# Altium PCB BRGTC6_Dual_Daughter.PcbDoc (part 1 of 2)
Units mil, origin at the board's own origin, x right, y up, seen from the top; angles counter-clockwise.
Board outline 5255 x 3080 mil, 4 copper layers (TOP, GND, PWR, BOT), stack 62.731 mil thick; 31 components, 45 nets, 288 pads, 246 vias.
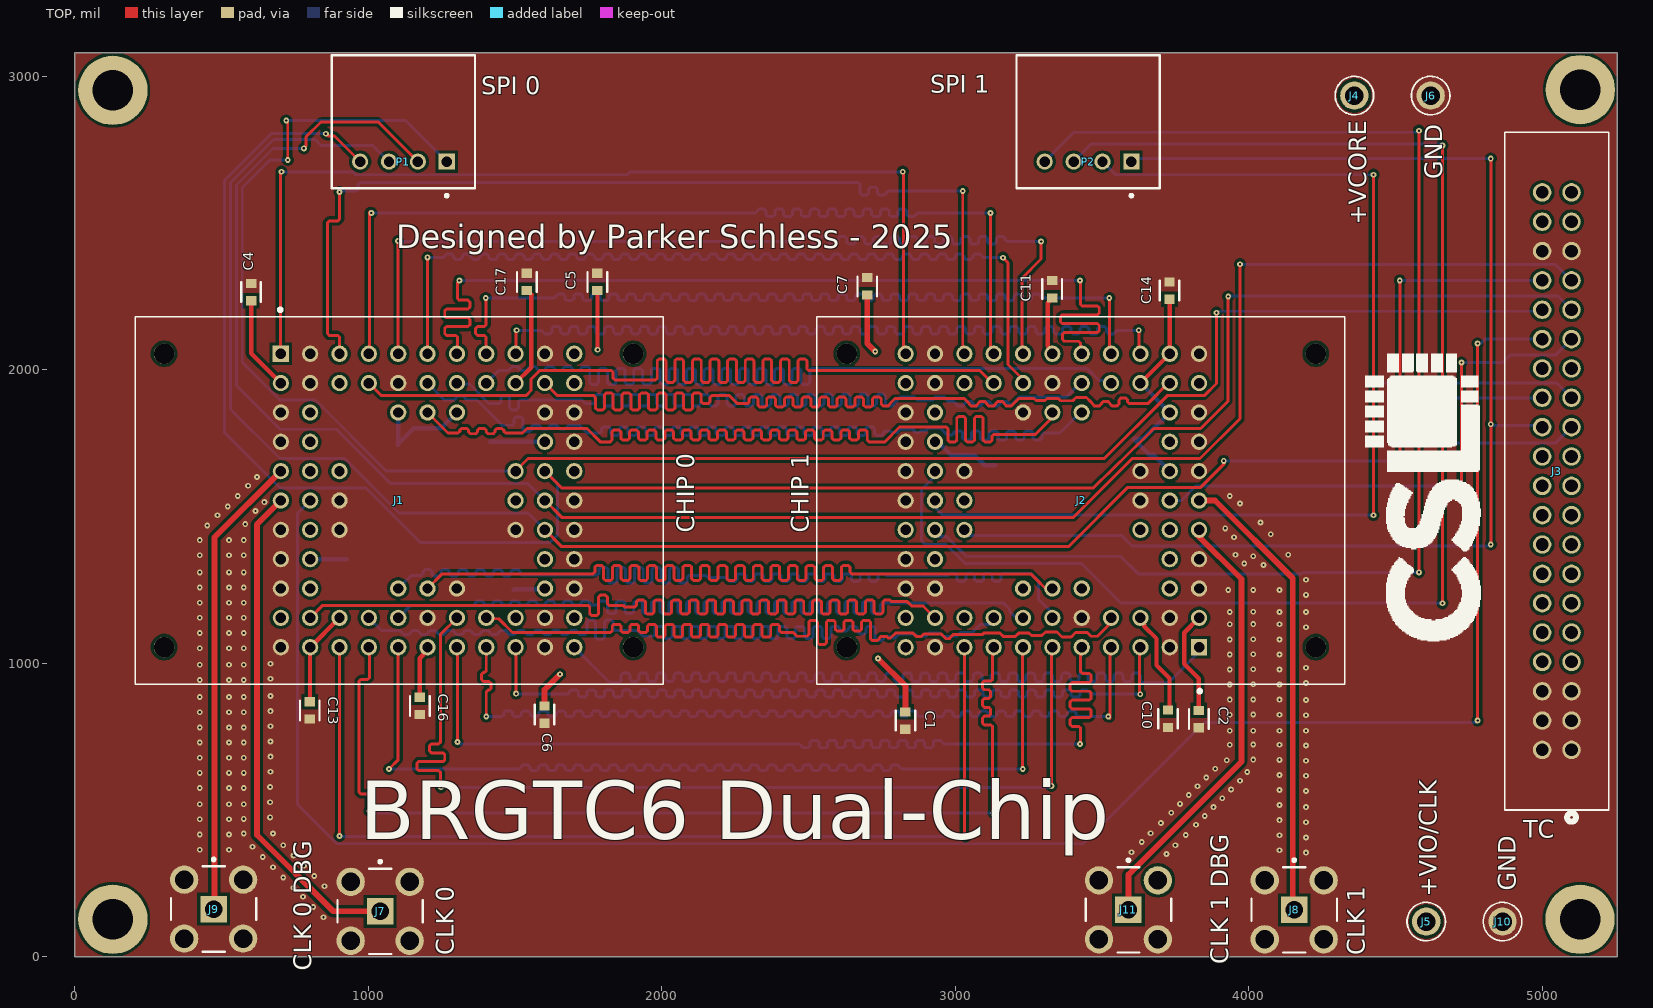
[diagram p0: TOP view]
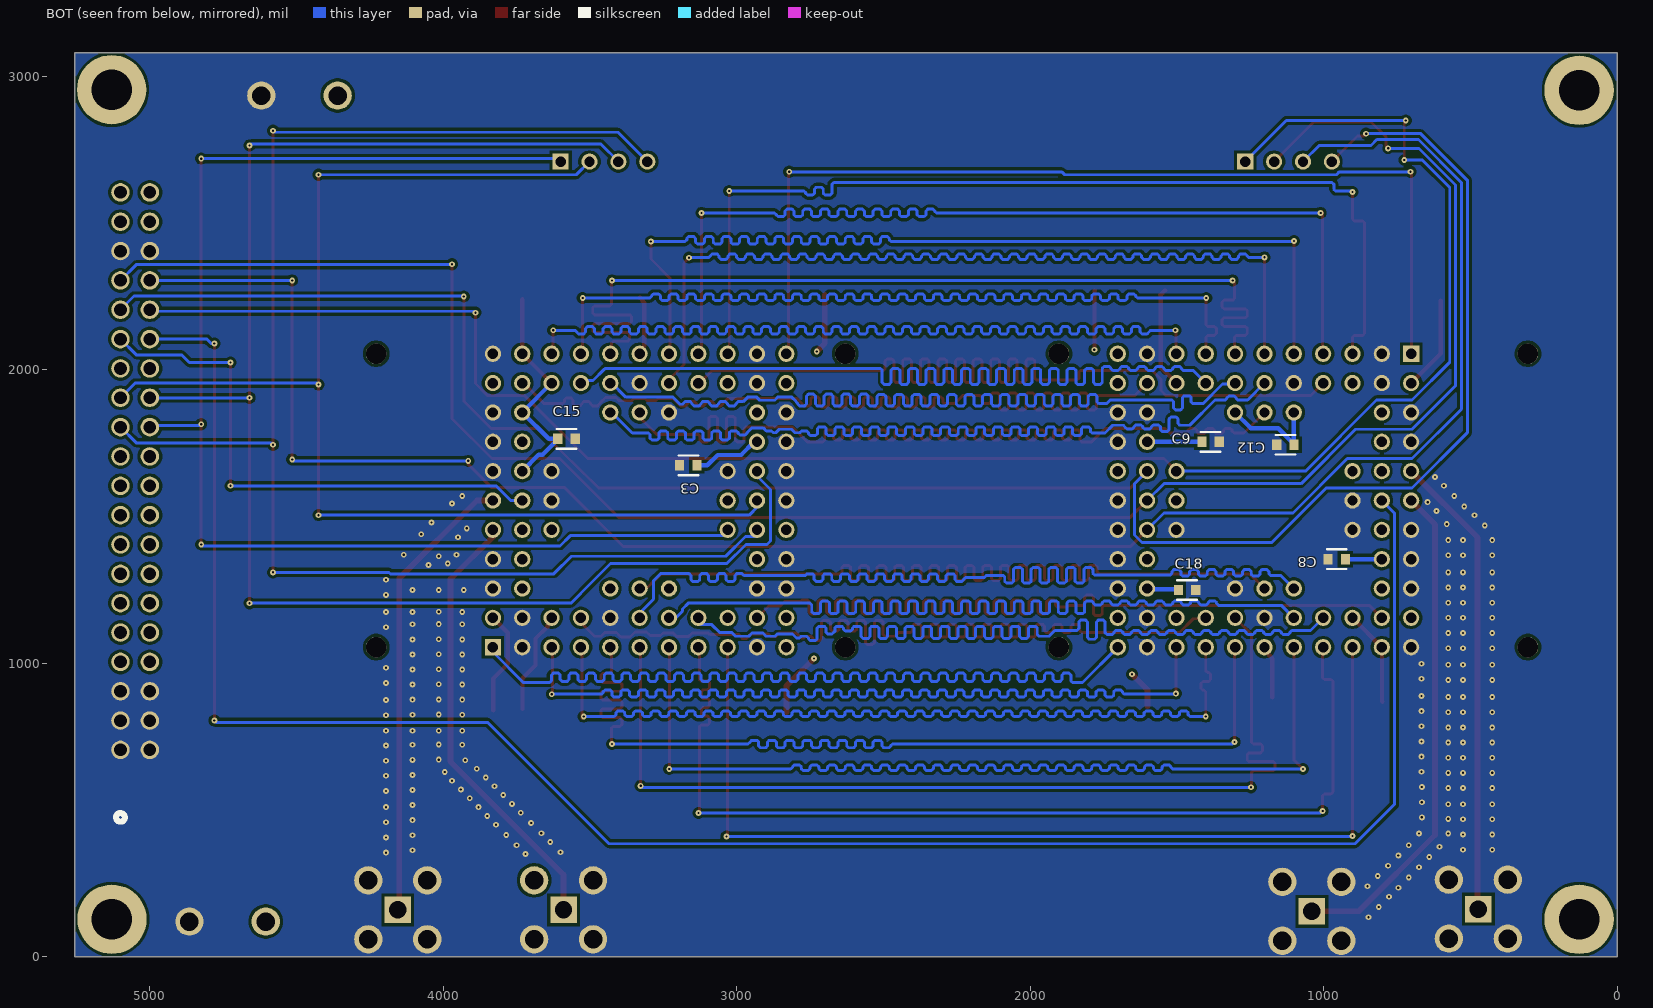
[diagram p1: BOT view, seen from below]
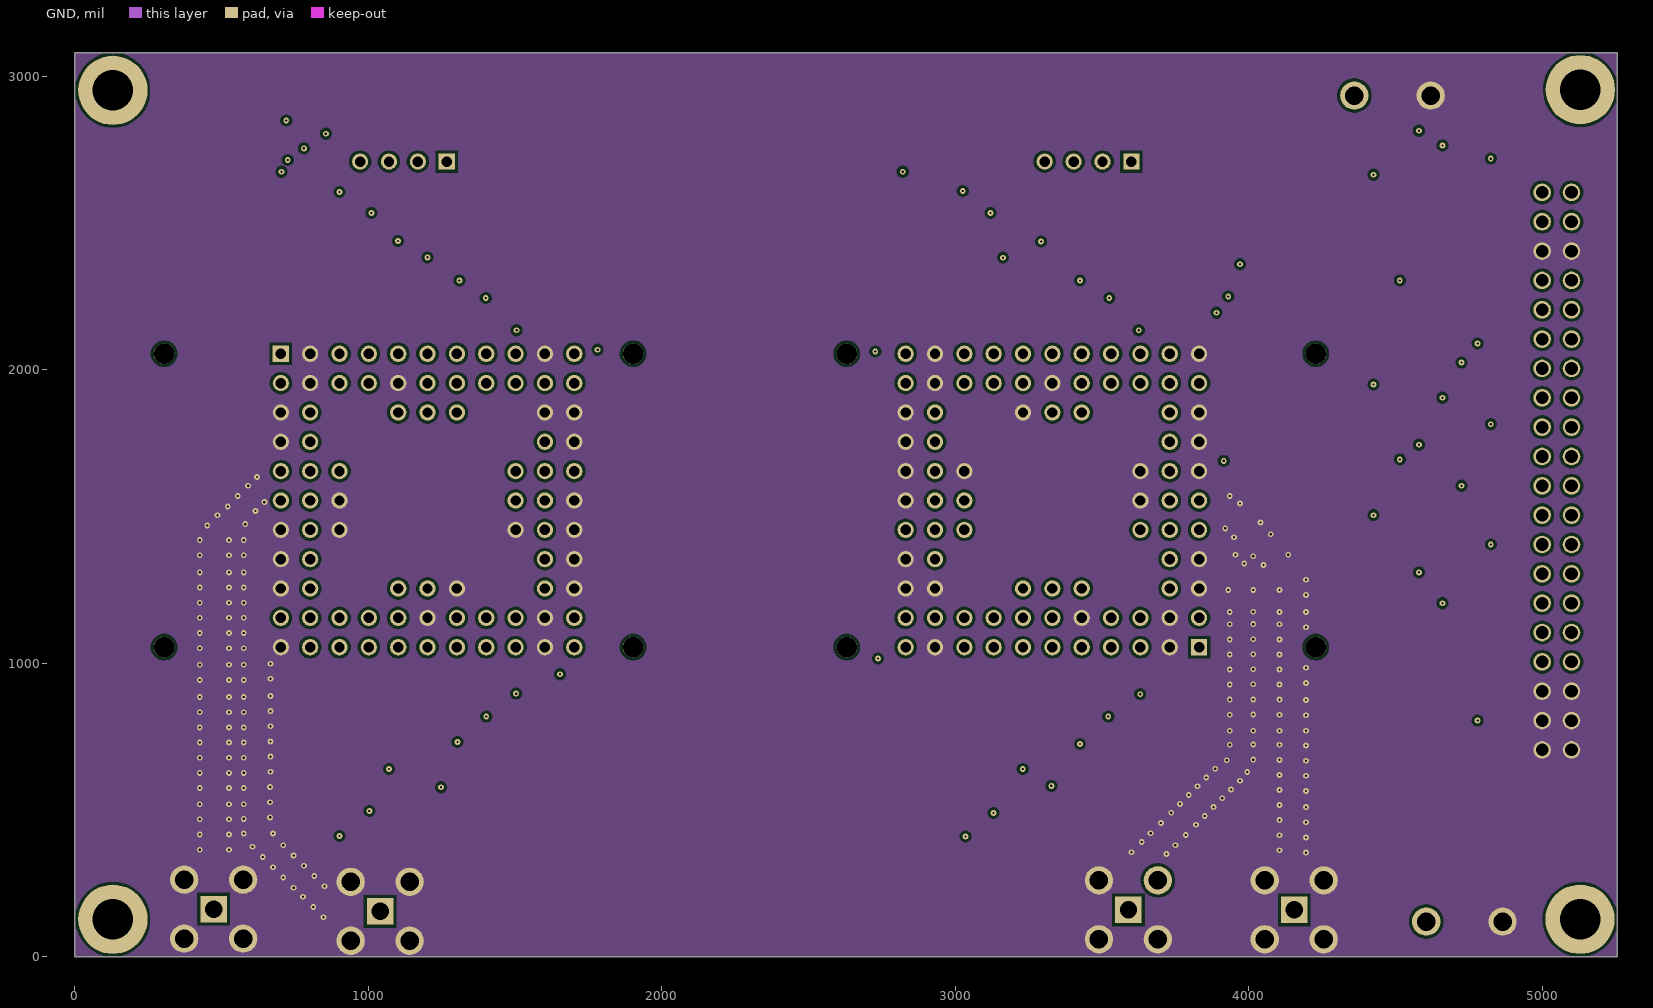
[diagram p2: GND]
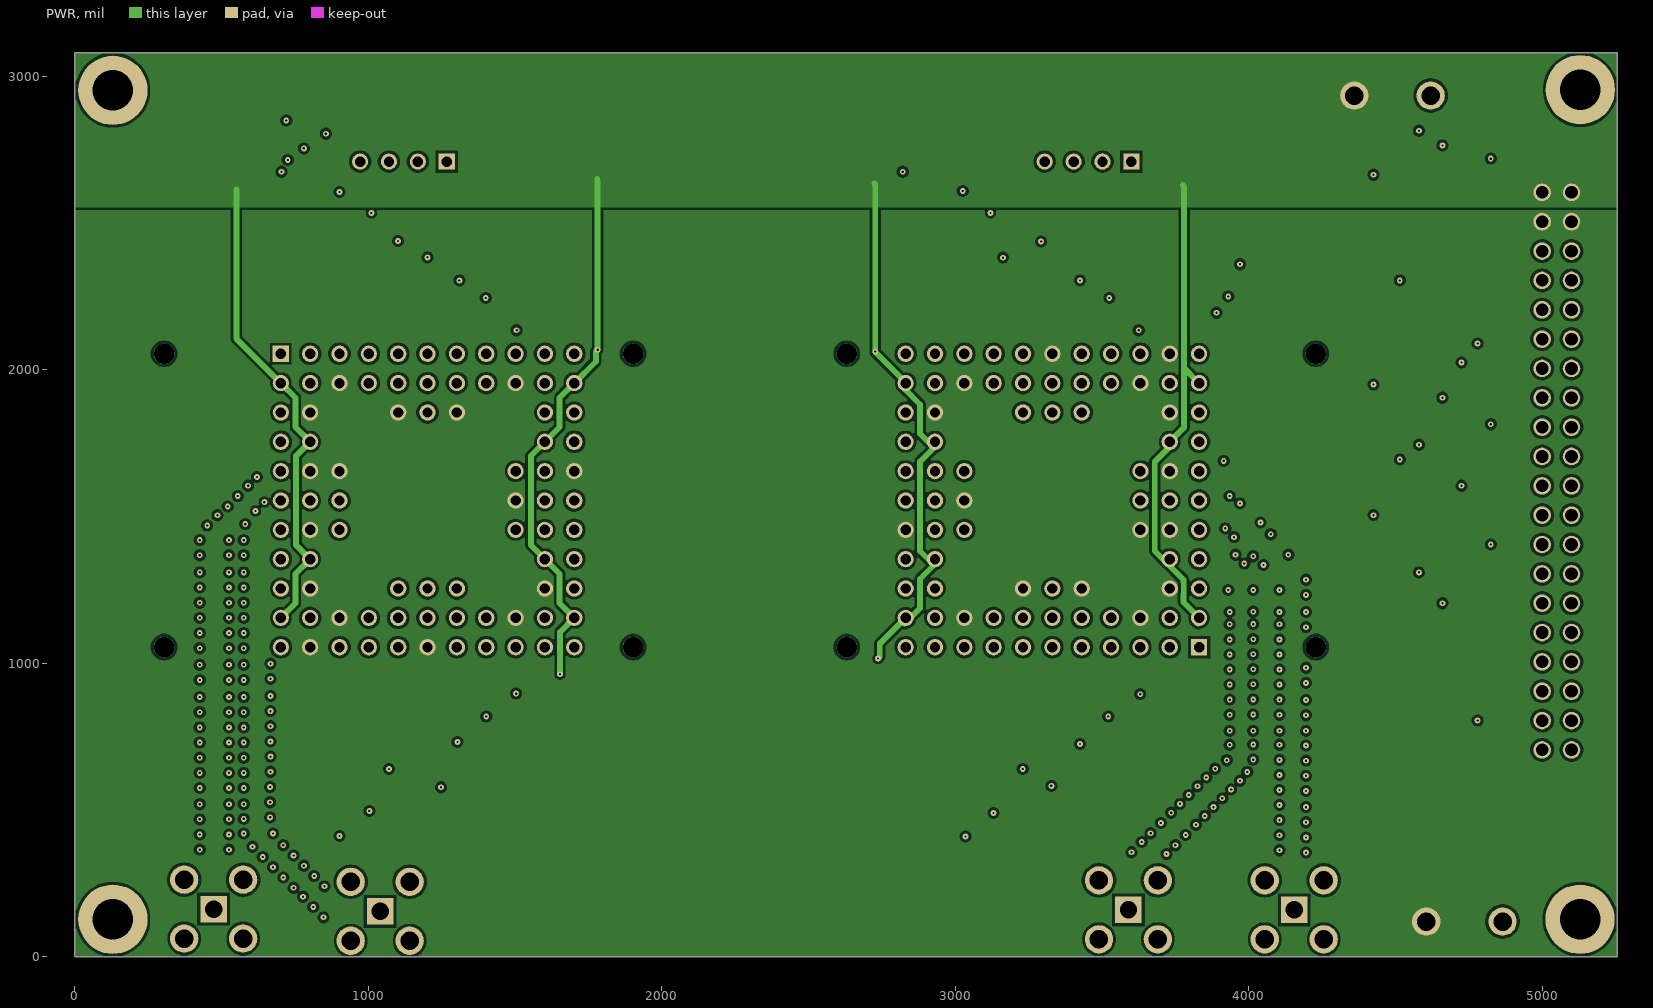
[diagram p3: PWR]
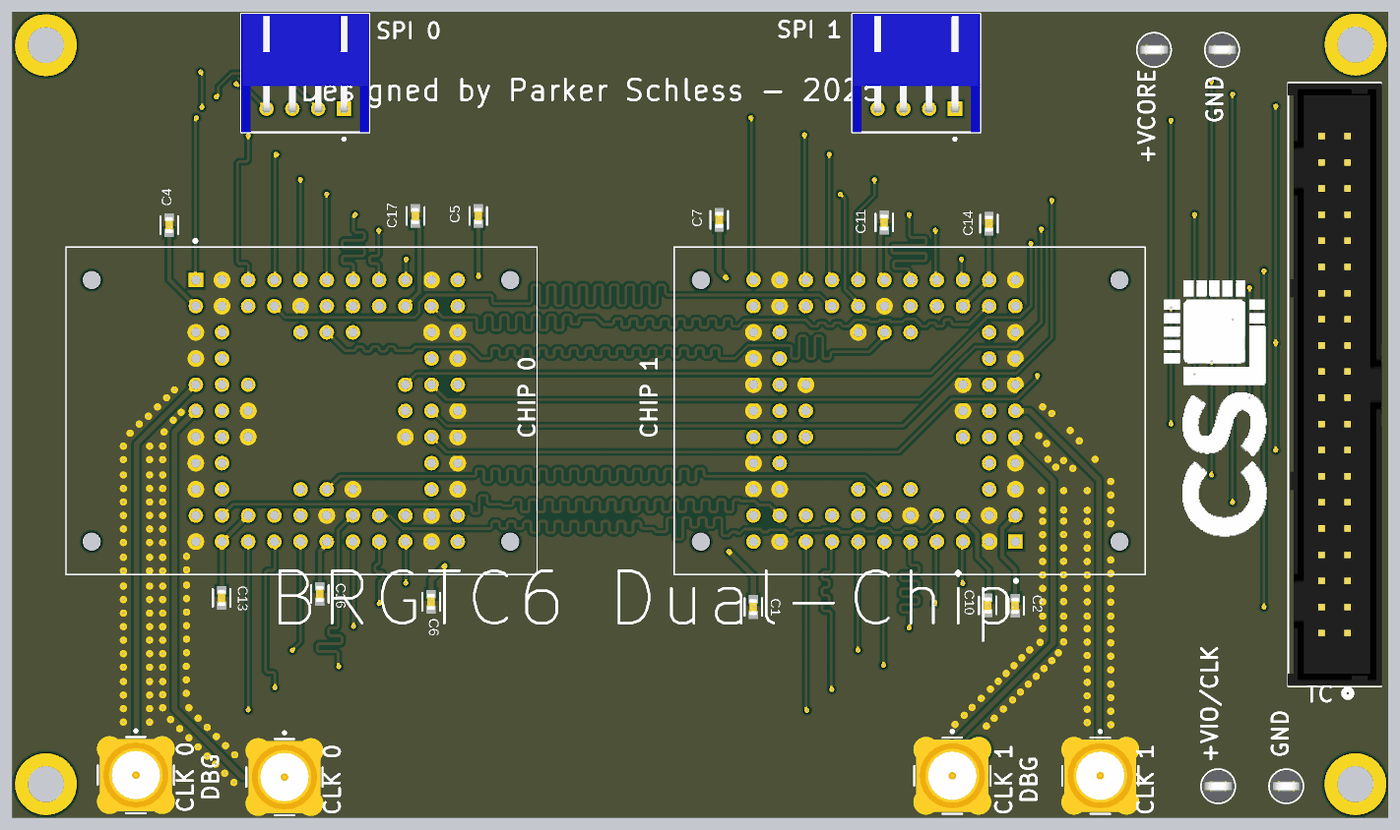
[diagram p5: 3D render of the assembled board from above, using the file's embedded part models]
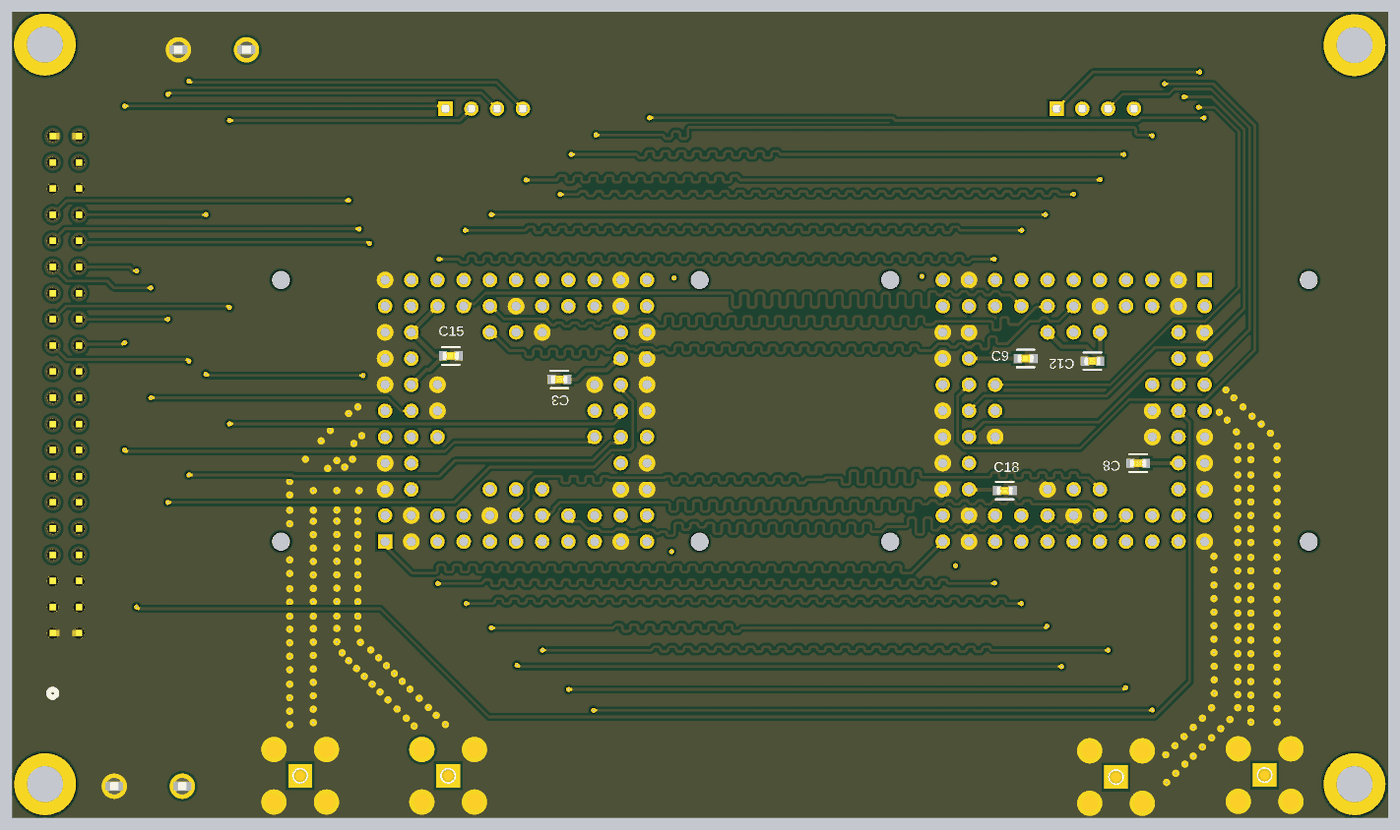
[diagram p6: 3D render of the assembled board from below, using the file's embedded part models]

## Layer stack, top to bottom
Top Solder: solder mask 0.3941, Solder Resist, Dk 3.3
TOP: signal copper 1.378
Dielectric 2: prepreg 4.2, PP-014, Dk 4.2
GND: signal copper 1.378
Dielectric 1: core 48.8189, FR-4, Dk 4
PWR: signal copper 1.378
Dielectric 3: prepreg 4.2, PP-014, Dk 4.2
BOT: signal copper 1.378
Bottom Solder: solder mask 0.3941, Solder Resist, Dk 3.3

## Board outline
0,0 0,3080 5255,3080 5255,0

## Design rules (kind name [scope] priority, off if disabled: settings)
Clearance [All] p1: gap=10 ignorepadtopadclearanceinfootprint=FALSE
HoleSize [All] p1: absolutevalues=TRUE maxlimit=150 minlimit=1 maxpercent=80.000 minpercent=20.000
MatchedLengths Credit-MatchedLengths [InNetClass('Credit')] p1: tolerance=50 checknetsindiffpair=FALSE checkdiffpairvsdiffpair=TRUE checkxsignals=TRUE checkothers=TRUE usedelayunits=TRUE delaytolerance=100.000000
PolygonConnect [All] p1: connectstyle=Direct reliefconductorwidth=10 reliefentries=4 polygonreliefangle="90 Angle" airgapwidth=10
RoutingVias [All] p1: holewidth=28 width=50 viastyle="Through Hole" minholewidth=28 minwidth=50 maxholewidth=28 maxwidth=50
SolderMaskExpansion [All] p1: expansion=4 istentingtop=FALSE
SupplyNets "Schematic Supply Nets_2" [InNet('GND')] p1: voltage=0.000
SupplyNets "Schematic Supply Nets_1" [InNet('+VCORE')] p2: voltage=0.000
SupplyNets "Schematic Supply Nets" [InNet('+VIO/CLK')] p3: voltage=0.000
Width [All] p1: maxlimit=20 minlimit=10 preferedwidth=10 minimp=50.000000 maximp=50.000000 favimp=50.000000
29 further rules are at their usual default settings.

## Components (designator, comment, footprint, x,y, rotation, side; value= is the part's Value field where it differs from the comment)
C1 "VJ0603Y101KXACW1BC" FP-CC0603-DA-MFG 2830,805 r270 top value="100 nF"
C2 "VJ0603Y101KXACW1BC" FP-CC0603-DA-MFG 3830,810 r270 top value="100 nF"
C3 "VJ0603Y101KXACW1BC" FP-CC0603-DA-MFG 3165,1675 r0 bottom value="100 nF"
C4 "VJ0603Y101KXACW1BC" FP-CC0603-DA-MFG 600,2265 r90 top value="100 nF"
C5 "VJ0603Y101KXACW1BC" FP-CC0603-DA-MFG 1780,2300 r90 top value="100 nF"
C6 "VJ0603Y101KXACW1BC" FP-CC0603-DA-MFG 1600,825 r270 top value="100 nF"
C7 "VJ0603Y101KXACW1BC" FP-CC0603-DA-MFG 2700,2285 r90 top value="100 nF"
C8 "VJ0603Y101KXACW1BC" FP-CC0603-DA-MFG 955,1355 r0 bottom value="100 nF"
C9 "VJ0603Y101KXACW1BC" FP-CC0603-DA-MFG 1385,1755 r180 bottom value="100 nF"
C10 "VJ0603Y101KXACW1BC" FP-CC0603-DA-MFG 3725,811.22 r270 top value="100 nF"
C11 "VJ0603Y101KXACW1BC" FP-CC0603-DA-MFG 3330,2275 r90 top value="100 nF"
C12 "VJ0603Y101KXACW1BC" FP-CC0603-DA-MFG 1130,1745 r0 bottom value="100 nF"
C13 "VJ0603Y101KXACW1BC" FP-CC0603-DA-MFG 800,840 r270 top value="100 nF"
C14 "VJ0603Y101KXACW1BC" FP-CC0603-DA-MFG 3730,2270.47 r90 top value="100 nF"
C15 "VJ0603Y101KXACW1BC" FP-CC0603-DA-MFG 3580,1765 r180 bottom value="100 nF"
C16 "VJ0603Y101KXACW1BC" FP-CC0603-DA-MFG 1175,855 r270 top value="100 nF"
C17 "VJ0603Y101KXACW1BC" FP-CC0603-DA-MFG 1540,2300 r90 top value="100 nF"
C18 "VJ0603Y101KXACW1BC" FP-CC0603-DA-MFG 1465,1250 r180 bottom value="100 nF"
J1 "BRGTC6" 3M_200-6311-9UN-1900 1105,1555 r0 top
J2 "BRGTC6" 3M_200-6311-9UN-1900 3427.24,1555 r180 top
J3 "3020-40-0100-00" CONN_3020-40-0100-00_CNC 5100,705 r90 top
J4 "5006" FP-5006-MFG 4360,2935 r0 top
J5 "5006" FP-5006-MFG 4605,120 r0 top
J6 "5006" FP-5006-MFG 4620,2935 r0 top
J7 "RF2-04A-T-00-50-G" FP-RF2-04A-T-00-50-G-MFG#1 1040,155 r270 top
J8 "RF2-04A-T-00-50-G" FP-RF2-04A-T-00-50-G-MFG#1 4155,160 r270 top
J9 "RF2-04A-T-00-50-G" FP-RF2-04A-T-00-50-G-MFG#1 472.5,162.5 r270 top
J10 "5006" FP-5006-MFG 4865,120 r0 top
J11 "RF2-04A-T-00-50-G" FP-RF2-04A-T-00-50-G-MFG#2 3590,160 r270 top
P1 "S4B-XH-A(LF)(SN)" JST-S4B-XH-A(LF)(SN)_V 1119.21,2710 r180 top
P2 "S4B-XH-A(LF)(SN)" JST-S4B-XH-A(LF)(SN)_V 3452.36,2710 r180 top

## Footprints (in the part's own frame and the unit in brackets; to place one, negate y for a bottom-side part, rotate by r counter-clockwise, add the part's x,y. Pads: shape width x height; smd on the part's side, far side on the other; paste and mask are expansions set on the pad)
3M_200-6311-9UN-1900 [mm]
  rect 1.408x1.408 hole 0.9: A1(-10.25,12.7)
  round 1.408 hole 0.9: A2(-7.71,12.7) A3(-5.17,12.7) A4(-2.63,12.7) A5(-0.09,12.7) A6(2.45,12.7) A7(4.99,12.7) A8(7.53,12.7) A9(10.07,12.7) A10(12.61,12.7) A11(15.15,12.7) B1(-10.25,10.16) B2(-7.71,10.16) B3(-5.17,10.16) B4(-2.63,10.16) B5(-0.09,10.16) B6(2.45,10.16) B7(4.99,10.16) B8(7.53,10.16) B9(10.07,10.16) B10(12.61,10.16) B11(15.15,10.16) C1(-10.25,7.62) C2(-7.71,7.62) C5(-0.09,7.62) C6(2.45,7.62) C7(4.99,7.62) C10(12.61,7.62) C11(15.15,7.62) D1(-10.25,5.08) D2(-7.71,5.08) D10(12.61,5.08) D11(15.15,5.08) E1(-10.25,2.54) E2(-7.71,2.54) E3(-5.17,2.54) E9(10.07,2.54) E10(12.61,2.54) E11(15.15,2.54) F1(-10.25,0) F2(-7.71,0) F3(-5.17,0) F9(10.07,0) F10(12.61,0) F11(15.15,0) G1(-10.25,-2.54) G2(-7.71,-2.54) G3(-5.17,-2.54) G9(10.07,-2.54) G10(12.61,-2.54) G11(15.15,-2.54) H1(-10.25,-5.08) H2(-7.71,-5.08) H10(12.61,-5.08) H11(15.15,-5.08) J1(-10.25,-7.62) J2(-7.71,-7.62) J5(-0.09,-7.62) J6(2.45,-7.62) J7(4.99,-7.62) J10(12.61,-7.62) J11(15.15,-7.62) K1(-10.25,-10.16) K2(-7.71,-10.16) K3(-5.17,-10.16) K4(-2.63,-10.16) K5(-0.09,-10.16) K6(2.45,-10.16) K7(4.99,-10.16) K8(7.53,-10.16) K9(10.07,-10.16) K10(12.61,-10.16) K11(15.15,-10.16) L1(-10.25,-12.7) L2(-7.71,-12.7) L3(-5.17,-12.7) L4(-2.63,-12.7) L5(-0.09,-12.7) L6(2.45,-12.7) L7(4.99,-12.7) L8(7.53,-12.7) L9(10.07,-12.7) L10(12.61,-12.7) L11(15.15,-12.7)
  round 1.78 hole 1.78 unplated: ""(-20.35,-12.7) ""(-20.35,12.7) ""(20.25,-12.7) ""(20.25,12.7)
  silkscreen extent -22.85,-15.9 22.85,16.64
CONN_3020-40-0100-00_CNC [mil]
  round 63 / inner round 60 / far side round 63 hole 43 paste-99999 mask-31.5: 1(0,0) 2(0,100) 3(100,0) 4(100,100) 5(200,0) 6(200,100) 7(300,0) 8(300,100) 9(400,0) 10(400,100) 11(500,0) 12(500,100) 13(600,0) 14(600,100) 15(700,0) 16(700,100) 17(800,0) 18(800,100) 19(900,0) 20(900,100) 21(1000,0) 22(1000,100) 23(1100,0) 24(1100,100) 25(1200,0) 26(1200,100) 27(1300,0) 28(1300,100) 29(1400,0) 30(1400,100) 31(1500,0) 32(1500,100) 33(1600,0) 34(1600,100) 35(1700,0) 36(1700,100) 37(1800,0) 38(1800,100) 39(1900,0) 40(1900,100)
  silkscreen extent -245,-127 2105,227, body extent -200,-130 2100,230, height 390
FP-5006-MFG [mm]
  round 2.45 hole 1.6 paste-2539.97 mask+0: 1(0,0)
  silkscreen extent -1.66,-1.66 1.67,1.66, body extent -1.77,-1.77 1.77,1.77, height 0.25
FP-CC0603-DA-MFG [mm]
  rect 0.8x0.9 smd paste+0 mask+0: 1(-0.75,0) 2(0.75,0)
  silkscreen extent -0.85,-0.85 0.85,0.85, body extent -1.35,-0.75 1.35,0.75, height 0.25
FP-RF2-04A-T-00-50-G-MFG#1 [mm]
  rect 2.3x2.3 hole 1.5 paste-2539.97 mask+0: 1(0,0)
  round 2.45 hole 1.6 paste-2539.97 mask+0: 2(-2.55,2.55) 3(2.55,2.55) 4(-2.55,-2.55) 5(2.55,-2.55)
  silkscreen extent -4.42,-3.7 3.7,3.7, body extent -3.88,-3.88 3.88,3.88, height 0.25
FP-RF2-04A-T-00-50-G-MFG#2 [mm]
  rect 2.3x2.3 hole 1.5 paste-2539.97 mask+0: 1(0,0)
  round 2.45 hole 1.6 paste-2539.97 mask+0: 3(2.55,2.55) 4(-2.55,-2.55) 5(2.55,-2.55) ""(-2.55,2.55)
  silkscreen extent -4.42,-3.7 3.7,3.7, body extent -3.88,-3.88 3.88,3.88, height 0.25
JST-S4B-XH-A(LF)(SN)_V [mm] "Header, 4-Leads, Body 12.4x11.5mm, Pitch 2.5mm"
  rect 1.4x1.4 hole 0.9: 1(-3.75,0)
  round 1.4 hole 0.9: 2(-1.25,0) 3(1.25,0) 4(3.75,0)
  silkscreen extent -6.2,-9.2 6.2,3.08, body extent -6.2,-9.2 6.2,2.3, height 6.15

## Part data
C1 C2 C3 C4 C5 C6 C7 C8 C9 C10 C11 C12 C13 C14 C15 C16 C17 C18: library part CMP-2000-05002-2, "CAP CER 0.1UF 16V X7R 0603", Capacitance="100 nF", Manufacturer=YAGEO, Manufacturer Part Number=CC0603KRX7R7BB104, Package=CC0603-DA, Temperature="-55°C to +125°C", Temperature Characteristic=X7R, Temperature Coefficient=15%, Temperature Range High=+125°C, Temperature Range Low=-55°C, Tolerance=0.1, Voltage="16 V", Automotive=No, Category=Cap, ComponentLink2Description=Datasheet, ComponentLink2URL=http://www.yageo.com/documents/recent/UPY-GPHC_X7R_6.3V-to-50V_18.pdf, Device Class L1="Passive Components", Device Class L2=Capacitors, Device Class L3="Ceramic Capacitors", Digikey Description="CAP CER 0.1UF 16V X7R 0603", Footprint Url=http://www.yageo.com/exep/pages/download/literatures/UPY-C_GEN_24.pdf, Height=0.9mm, Lead Free=Yes, Material=Ceramic, Mouser Description="Multilayer Ceramic Capacitor, CC Series, 0.1 - F, - 10%, X7R, 16 V, 0603 [1608 Metric]", Octopart=https://octopart.com/cc0603krx7r7bb104-yageo-192941, RoHS=TRUE, Voltage Rating="16 V"
J1 J2: library part 200-6311-9UN-1900, "121 _11 x 11_ Pos PGA, ZIF _ZIP_ Socket Gold Through Hole", Package=None, Digi-Key_Part_Number=3M5067-ND, Digi-Key_Purchase_URL=https://www.digikey.com/product-detail/en/3m/200-6311-9UN-1900/3M5067-ND/1130121?utm_source=snapeda&utm_medium=aggregator&utm_campaign=symbol, MF=3M, MP=200-6311-9UN-1900, SnapEDA_Link=https://www.snapeda.com/parts/200-6311-9UN-1900/3M%20_TC_/view-part/159310/?ref=snap
J3: "No Description Available", Mfr_Name="CNC Tech", RefDes=RefDes, Type=Type
J4 J5 J6 J10: library part CMP-19636-000022-1, "PC TEST POINT COMPACT BLACK", Color=Black, Flammability Rating="UL94 V-0", Package Quantity=100, Body Material=Bronze, Contact Material=Bronze, Contact Plating=Tin, Height=0.35inch, Hole Diameter=1.6mm, Housing Color=Black, Inside Diameter=1.78mm, Insulation Material=Nylon, Lead Free="Lead Free", Length=8.89mm, Material=Nylon, Mount=PCB, Number of Ports=1, Orientation=Straight, Outside Diameter=3.18mm, Packaging=Bulk, Plating=Silver, REACH SVHC="No SVHC", RoHS Compliant=Yes, Series=THM
J7 J8 J9 J11: library part CMP-42753-000002-1, "CONN SMA JACK STR 50 OHM PCB"
P1 P2: library part CMP-1755-00007-1, "Male Header, Pitch 2.5 mm, 1 x 4 Position, Height 6.1 mm, Tail Length 3.4 mm, -25 to 85 degC, RoHS, Bulk", ComponentLink1Description="Manufacturer URL", ComponentLink1URL=http://www.jst.com/home2.html, ComponentLink2Description=Datasheet, ComponentLink2URL=http://www.jst-mfg.com/product/pdf/eng/eXH.pdf, DatasheetVersion=May-16, PackageDescription="Male Header, Pitch 2.5 mm, 1 x 4 Position, Height 6.1 mm, Tail Length 3.4 mm", PackageReference=S4B-XH-A(LF)(SN)

## Free pads (board coordinates)
  round 236.22 hole 137.8: 2(129.12,127.84) 2(129.12,2952.84) 2(5129.12,127.84) 2(5130,2955)

## Via types
v1: diameter 19.68, hole 7.87, TOP to BOT, 246 vias

## Nets (pads, with @x,y where several pads share a name; then routed paths per layer and width w, separated by ;. In a path a pad name is that pad's centre, name@x,y a point inside that pad or via, vN(x,y) a via of type N, cw(c..) or ccw(c..) an arc to the next point about the centre after c; other vN are vias at no path point)
+VCORE: C1.1 C2.1 C3.1 C4.1 C5.1 C6.1 C7.1 C8.1 C9.1 J1.B1 J1.B11 J1.D2 J1.D10 J1.H2 J1.H10 J1.K1 J1.K11 J2.B1 J2.B11 J2.D2 J2.D10 J2.H2 J2.H10 J2.K1 J2.K11 J3.39 J3.40 J4.1 | length 8995.8
  TOP w15: C4.1@600,2235.47 600,2056.46 J1.B1@701.46,1955 ; C5.1@1780,2270.47 1780.53,2269.94 1780.53,2069.47 v1(1781.07,2068.93) ; C2.1@3830,839.53 3830,948.02 3780,998.02 3780,1104.21 J2.B1@3830.79,1155
  TOP w20: C6.1@1600,854.53 1600,910 v1(1652.79,962.79) ; C7.1@2700,2255.47 2700,2090 v1(2727.05,2062.95) ; v1(2736.68,1016.68) 2830,923.36 C1.1@2830,834.53
  PWR w20: 550,2615 550,2106.46 J1.B1@701.46,1955 751.46,1905 751.46,1805 J1.D2@801.46,1755 753.74,1707.28 753.74,1402.72 J1.H2@801.46,1355 751.46,1305 751.46,1205 J1.K1@701.46,1155 ; v1(1652.79,962.79) 1652.79,1106.34 J1.K11@1701.46,1155 1651.46,1205 1651.46,1305 J1.H10@1601.46,1355 1553.74,1402.72 1553.74,1707.28 J1.D10@1601.46,1755 1651.46,1805 1651.46,1905 J1.B11@1701.46,1955 1775.33,2028.87 1775.33,2063.19 v1(1781.07,2068.93) 1781.07,2643.93 1780,2645 1780,2650 ; 2725,2635 2727.05,2632.95 v1(2727.05,2062.95) 2727.05,2060.85 2830.79,1957.11 J2.K11@2830.79,1955 ; v1(2736.68,1016.68) 2742.42,1022.42 2742.42,1066.63 J2.B11@2830.79,1155 ; J2.B11@2827.36,1135 2880,1187.64 2880,1287.64 2927.36,1335 2879.65,1382.72 2879.65,1687.28 2927.36,1735 2880,1782.36 2880,1882.36 J2.K11@2827.36,1935 ; J2.H2@3727.36,1735 3679.65,1687.28 3679.65,1382.72 3777.36,1285 3777.36,1275.91 3778.5,1274.76 3778.5,1235.24 3777.36,1234.09 3777.36,1208.43 J2.B1@3830.79,1155 J2.B1@3830.79,1144.21 ; J2.H2@3730.79,1755 3780,1804.21 3780,2015 ; 3775,2630 3780,2625 3780,2015 ; J2.B1@3825.07,1137.29 3827.36,1135 J2.B1@3843.68,1151.32 ; J2.K1@3830.79,1955 3780,2005.79 3780,2015
  BOT w15: J1.H2@801.46,1355 C8.1@925.47,1355 ; C9.1@1414.53,1755 J1.D10@1601.46,1755 ; J2.H10@2930.79,1755 2940,1755 2985,1710 3064.97,1710 3099.97,1675 C3.1@3135.47,1675
+VIO/CLK: C10.1 C11.1 C12.1 C13.1 C14.1 C15.1 C16.1 C17.1 C18.1 J1.B3 J1.B9 J1.C2 J1.C5 J1.C7 J1.E2 J1.E3 J1.E11 J1.F9 J1.G2 J1.J2 J1.J10 J1.K3 J1.K9 J1.L2 J1.L6 J2.B3 J2.B9 J2.C2 J2.C5 J2.C7 J2.E2 J2.E3 J2.E11 J2.F9 J2.G2 J2.J2 J2.J10 J2.K3 J2.K9 J2.L2 J2.L6 J3.37 J3.38 J5.1 | length 2690.9
  TOP w15: C13.1@800,869.53 800.73,870.26 800.73,1054.27 J1.L2@801.46,1055 J1.K3@901.46,1155 ; C16.1@1175,884.53 1175,1017.6 1201.46,1044.06 J1.L6@1201.46,1055 ; J1.B9@1501.46,1955 1555.07,2008.62 1555.07,2255.4 1550.22,2260.26 1550.22,2262.22 C17.1@1541.97,2270.47 ; C17.1@1540,2270.47 C17.1@1541.97,2270.47 ; C17.1@1556.06,2256.38 C17.1@1541.97,2270.47 ; C11.1@3330,2245.47 3328.03,2245.47 3319.78,2237.22 3319.78,2233.22 3315,2228.44 3315,2081.73 3330.39,2066.34 J2.L6@3330.39,2055.39 ; J2.B3@3630.79,1155 3630.79,1144.06 3643.4,1131.44 3643.4,1126.6 3685.57,1084.43 3685.57,993.81 3730,949.38 C10.1@3730,844.53 ; J2.K3@3630.79,1955 J2.L2@3730,2054.21 ; C14.1@3730,2240.94 3730.39,2240.55 3730.39,2055.39 J2.L2@3730.79,2055